# Altium PCB 0020-03_FFT2G.PcbDoc (part 14 of 16)
Units mm, origin at the board's own origin, x right, y up, seen from the top; angles counter-clockwise.
Board outline 195 x 104.5 mm, 12 copper layers (Top Layer, GND1, LVDS1, PWR1, LVDS2, PWR2, LVDS3, PWR3, SIG1, SIG2, GND2, Bottom Layer), stack 1.422 mm thick; 721 components, 650 nets, 4014 pads, 3497 vias.
Unrouted connection lines stored in the file: 78.
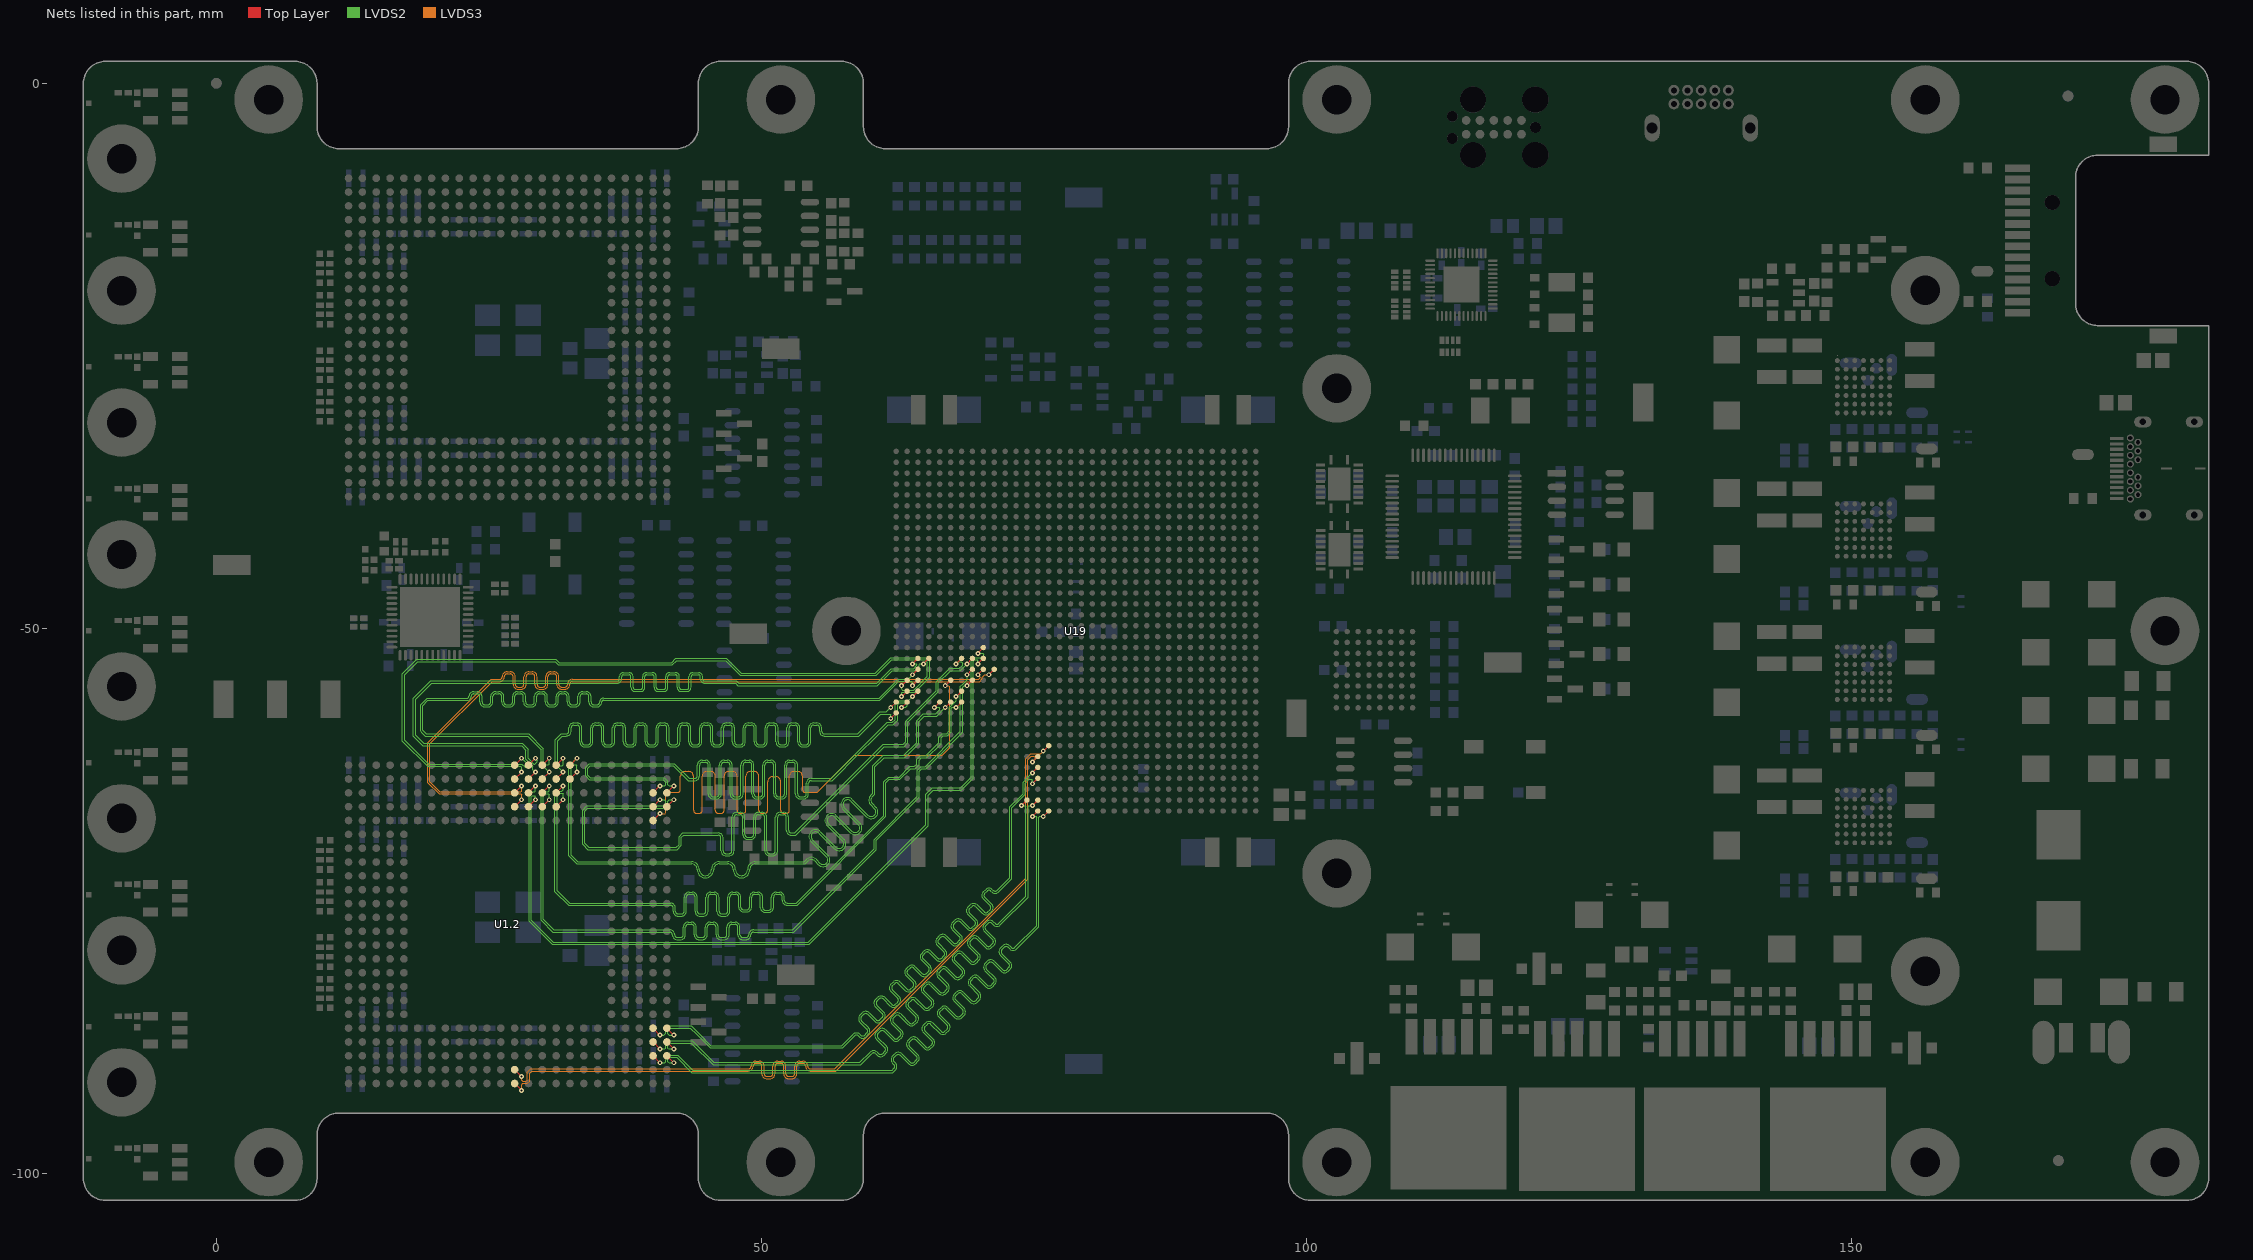
[diagram p24: the nets of this part, all layers, seen from the top]

## Via types
v1: diameter 0.45, hole 0.2, Top Layer to Bottom Layer, tented both sides, 3249 vias
v2: diameter 1, hole 0.5, Top Layer to Bottom Layer, tented both sides, 192 vias
v3: diameter 0.5, hole 0.2, Top Layer to Bottom Layer, tented both sides, 34 vias
v4: diameter 0.6, hole 0.3, Top Layer to Bottom Layer, tented both sides, 12 vias
v5: diameter 0.6, hole 0.2, Top Layer to Bottom Layer, tented both sides, 6 vias
v6: diameter 0.45/0.45/0.45/0.45/0.45/0.45/0.45 (per signal layer), hole 0.2, Top Layer to Bottom Layer, tented both sides, 4 vias

## Nets (pads, with @x,y where several pads share a name; then routed paths per layer and width w, separated by ;. In a path a pad name is that pad's centre, name@x,y a point inside that pad or via, vN(x,y) a via of type N, cw(c..) or ccw(c..) an arc to the next point about the centre after c; other vN are vias at no path point) (continued)
SB.8_N: U1.2.AC3 U19.A21 | length 75.3
  Top Layer w0.1: U1.2.AC3@40.068,-89.243 v1(40.703,-89.878) ; v1(74.875,-67.28) U19.A21@75.375,-66.78
  LVDS2 w0.1: v1(40.703,-89.878) 41.135,-89.878 41.238,-89.774 41.238,-89.458 41.513,-89.184 42.325,-89.184 43.724,-90.583 61.993,-90.583 62.176,-90.4 ccw(c61.999,-90.223) 62.249,-90.223 ccw(c61.999,-90.223) 62.176,-90.047 62.035,-89.905 cw(c62.353,-89.587) 62.035,-89.269 62.247,-89.057 cw(c62.565,-89.375) 62.883,-89.057 63.661,-89.835 ccw(c63.838,-89.658) 64.015,-89.835 64.227,-89.622 ccw(c64.05,-89.446) 64.3,-89.446 ccw(c64.05,-89.446) 64.227,-89.269 63.449,-88.491 cw(c63.767,-88.173) 63.449,-87.855 63.661,-87.642 cw(c63.979,-87.961) 64.297,-87.642 65.075,-88.42 ccw(c65.252,-88.244) 65.429,-88.42 65.641,-88.208 ccw(c65.464,-88.031) 65.714,-88.031 ccw(c65.464,-88.031) 65.641,-87.855 64.863,-87.077 cw(c65.181,-86.759) 64.863,-86.44 65.075,-86.228 cw(c65.393,-86.546) 65.712,-86.228 66.489,-87.006 ccw(c66.666,-86.829) 66.843,-87.006 67.055,-86.794 ccw(c66.878,-86.617) 67.128,-86.617 ccw(c66.878,-86.617) 67.055,-86.44 66.277,-85.663 cw(c66.595,-85.344) 66.277,-85.026 66.489,-84.814 cw(c66.808,-85.132) 67.126,-84.814 ; 67.126,-84.814 67.904,-85.592 ccw(c68.08,-85.415) 68.257,-85.592 68.469,-85.38 ccw(c68.293,-85.203) 68.543,-85.203 ccw(c68.293,-85.203) 68.469,-85.026 67.691,-84.248 cw(c68.01,-83.93) 67.691,-83.612 67.904,-83.4 cw(c68.222,-83.718) 68.54,-83.4 69.318,-84.178 ccw(c69.495,-84.001) 69.671,-84.178 69.884,-83.966 ccw(c69.707,-83.789) 69.957,-83.789 ccw(c69.707,-83.789) 69.884,-83.612 69.106,-82.834 cw(c69.424,-82.516) 69.106,-82.198 69.318,-81.986 cw(c69.636,-82.304) 69.954,-81.986 70.732,-82.763 ccw(c70.909,-82.587) 71.086,-82.763 71.298,-82.551 ccw(c71.121,-82.375) 71.371,-82.375 ccw(c71.121,-82.375) 71.298,-82.198 70.52,-81.42 cw(c70.838,-81.102) 70.52,-80.784 70.732,-80.571 cw(c71.05,-80.89) 71.368,-80.571 72.146,-81.349 ccw(c72.323,-81.172) 72.5,-81.349 72.712,-81.137 ccw(c72.535,-80.96) 72.785,-80.96 ccw(c72.535,-80.96) 72.712,-80.784 71.934,-80.006 cw(c72.252,-79.688) 71.934,-79.369 72.146,-79.157 cw(c72.464,-79.475) 72.783,-79.157 72.924,-79.299 ccw(c73.101,-79.122) 73.278,-79.299 75.275,-77.301 75.275,-67.338 75.217,-67.28 v1(74.875,-67.28)
SB.8_P: U1.2.AD3 U19.A20 | length 75.3
  Top Layer w0.1: U1.2.AD3@41.338,-89.243 v1(41.973,-89.878) ; v1(75.875,-67.28) U19.A20@76.375,-66.78
  LVDS2 w0.1: v1(41.973,-89.878) 41.541,-89.878 41.438,-89.774 41.438,-89.541 41.596,-89.384 42.242,-89.384 43.641,-90.783 62.076,-90.783 62.318,-90.542 ccw(c61.999,-90.223) 62.449,-90.223 ccw(c61.999,-90.223) 62.317,-89.905 62.176,-89.764 cw(c62.353,-89.587) 62.176,-89.41 62.388,-89.198 cw(c62.565,-89.375) 62.742,-89.198 63.52,-89.976 ccw(c63.838,-89.658) 64.156,-89.976 64.368,-89.764 ccw(c64.05,-89.446) 64.5,-89.446 ccw(c64.05,-89.446) 64.368,-89.127 63.59,-88.35 cw(c63.767,-88.173) 63.59,-87.996 63.802,-87.784 cw(c63.979,-87.961) 64.156,-87.784 64.934,-88.562 ccw(c65.252,-88.244) 65.57,-88.562 65.782,-88.35 ccw(c65.464,-88.031) 65.914,-88.031 ccw(c65.464,-88.031) 65.782,-87.713 65.004,-86.935 cw(c65.181,-86.759) 65.004,-86.582 65.217,-86.37 cw(c65.393,-86.546) 65.57,-86.37 66.348,-87.148 ccw(c66.666,-86.829) 66.984,-87.148 67.197,-86.935 ccw(c66.878,-86.617) 67.328,-86.617 ccw(c66.878,-86.617) 67.197,-86.299 66.419,-85.521 cw(c66.595,-85.344) 66.419,-85.168 66.631,-84.955 cw(c66.808,-85.132) 66.984,-84.955 67.762,-85.733 ccw(c68.08,-85.415) 68.399,-85.733 68.611,-85.521 ccw(c68.293,-85.203) 68.743,-85.203 ccw(c68.293,-85.203) 68.611,-84.885 67.833,-84.107 cw(c68.01,-83.93) 67.833,-83.753 68.045,-83.541 cw(c68.222,-83.718) 68.399,-83.541 69.176,-84.319 ccw(c69.495,-84.001) 69.813,-84.319 70.025,-84.107 ccw(c69.707,-83.789) 70.157,-83.789 ccw(c69.707,-83.789) 70.025,-83.471 69.247,-82.693 cw(c69.424,-82.516) 69.247,-82.339 69.459,-82.127 cw(c69.636,-82.304) 69.813,-82.127 70.591,-82.905 ccw(c70.909,-82.587) 71.227,-82.905 71.439,-82.693 ccw(c71.121,-82.375) 71.571,-82.375 ccw(c71.121,-82.375) 71.439,-82.056 70.661,-81.279 cw(c70.838,-81.102) 70.661,-80.925 70.873,-80.713 cw(c71.05,-80.89) 71.227,-80.713 72.005,-81.491 ccw(c72.323,-81.172) 72.641,-81.491 72.853,-81.279 ccw(c72.535,-80.96) 72.985,-80.96 ccw(c72.535,-80.96) 72.853,-80.642 72.076,-79.864 cw(c72.252,-79.688) 72.076,-79.511 72.288,-79.299 cw(c72.464,-79.475) 72.641,-79.299 72.783,-79.44 ccw(c73.101,-79.122) 73.419,-79.44 75.475,-77.384 75.475,-67.338 75.534,-67.28 v1(75.875,-67.28)
SB.9_N: U1.2.AC4 U19.B22 | length 75.2
  Top Layer w0.1: U1.2.AC4@40.068,-87.973 v1(40.703,-88.608) ; v1(73.875,-66.28) U19.B22@74.375,-65.78
  LVDS2 w0.1: v1(40.703,-88.608) 41.16,-88.608 41.238,-88.53 41.238,-88.168 41.533,-87.873 43.678,-87.873 45.654,-89.85 59.048,-89.85 59.991,-88.906 cw(c60.309,-89.225) 60.628,-88.906 60.769,-89.048 ; 60.769,-89.048 ccw(c60.946,-88.871) 61.122,-89.048 ; 61.122,-89.048 61.335,-88.836 ccw(c61.158,-88.659) 61.408,-88.659 ccw(c61.158,-88.659) 61.335,-88.482 60.557,-87.704 cw(c60.875,-87.386) 60.557,-87.068 60.769,-86.856 cw(c61.087,-87.174) 61.405,-86.856 62.183,-87.634 ccw(c62.36,-87.457) 62.537,-87.634 62.749,-87.421 ccw(c62.572,-87.245) 62.822,-87.245 ccw(c62.572,-87.245) 62.749,-87.068 61.971,-86.29 cw(c62.289,-85.972) 61.971,-85.654 62.183,-85.442 cw(c62.501,-85.76) 62.82,-85.442 63.597,-86.219 ccw(c63.774,-86.043) 63.951,-86.219 64.163,-86.007 ccw(c63.986,-85.83) 64.236,-85.83 ccw(c63.986,-85.83) 64.163,-85.654 63.385,-84.876 cw(c63.703,-84.558) 63.385,-84.239 63.597,-84.027 cw(c63.916,-84.346) 64.234,-84.027 65.012,-84.805 ccw(c65.188,-84.628) 65.365,-84.805 65.577,-84.593 ccw(c65.4,-84.416) 65.65,-84.416 ccw(c65.4,-84.416) 65.577,-84.24 64.799,-83.462 cw(c65.118,-83.143) 64.799,-82.825 65.012,-82.613 cw(c65.33,-82.931) 65.648,-82.613 66.426,-83.391 ccw(c66.603,-83.214) 66.779,-83.391 66.991,-83.179 ccw(c66.815,-83.002) 67.065,-83.002 ccw(c66.815,-83.002) 66.991,-82.825 66.214,-82.047 cw(c66.532,-81.729) 66.214,-81.411 66.426,-81.199 cw(c66.744,-81.517) 67.062,-81.199 67.84,-81.977 ccw(c68.017,-81.8) 68.194,-81.977 68.406,-81.765 ccw(c68.229,-81.588) 68.479,-81.588 ccw(c68.229,-81.588) 68.406,-81.411 67.628,-80.633 cw(c67.946,-80.315) 67.628,-79.997 67.84,-79.785 cw(c68.158,-80.103) 68.476,-79.785 69.254,-80.563 ccw(c69.431,-80.386) 69.608,-80.563 69.82,-80.35 ccw(c69.643,-80.174) 69.893,-80.174 ccw(c69.643,-80.174) 69.82,-79.997 69.042,-79.219 cw(c69.36,-78.901) 69.042,-78.583 69.254,-78.37 cw(c69.572,-78.689) 69.891,-78.37 70.668,-79.148 ccw(c70.845,-78.972) 71.022,-79.148 71.234,-78.936 ccw(c71.057,-78.759) 71.307,-78.759 ccw(c71.057,-78.759) 71.234,-78.583 70.456,-77.805 cw(c70.774,-77.487) 70.456,-77.168 70.668,-76.956 cw(c70.987,-77.274) 71.305,-76.956 71.446,-77.098 ccw(c71.623,-76.921) 71.8,-77.098 74.275,-74.622 74.275,-66.338 74.217,-66.28 v1(73.875,-66.28)
SB.9_P: U1.2.AD4 U19.B21 | length 75.2
  Top Layer w0.1: U1.2.AD4@41.338,-87.973 v1(41.973,-88.608) ; v1(74.875,-66.28) U19.B21@75.375,-65.78
  LVDS2 w0.1: v1(41.973,-88.608) 41.516,-88.608 41.438,-88.53 41.438,-88.25 41.615,-88.073 43.595,-88.073 45.572,-90.05 59.131,-90.05 60.133,-89.048 cw(c60.309,-89.225) 60.486,-89.048 60.628,-89.189 ccw(c60.946,-88.871) 61.264,-89.189 61.476,-88.977 ccw(c61.158,-88.659) 61.608,-88.659 ccw(c61.158,-88.659) 61.476,-88.341 60.698,-87.563 cw(c60.875,-87.386) 60.698,-87.209 60.91,-86.997 cw(c61.087,-87.174) 61.264,-86.997 62.042,-87.775 ccw(c62.36,-87.457) 62.678,-87.775 62.89,-87.563 ccw(c62.572,-87.245) 63.022,-87.245 ccw(c62.572,-87.245) 62.89,-86.927 62.112,-86.149 cw(c62.289,-85.972) 62.112,-85.795 62.325,-85.583 cw(c62.501,-85.76) 62.678,-85.583 63.456,-86.361 ccw(c63.774,-86.043) 64.092,-86.361 64.304,-86.149 ccw(c63.986,-85.83) 64.436,-85.83 ccw(c63.986,-85.83) 64.304,-85.512 63.527,-84.734 cw(c63.703,-84.558) 63.527,-84.381 63.739,-84.169 cw(c63.916,-84.346) 64.092,-84.169 64.87,-84.947 ccw(c65.188,-84.628) 65.507,-84.947 65.719,-84.734 ccw(c65.4,-84.416) 65.85,-84.416 ccw(c65.4,-84.416) 65.719,-84.098 64.941,-83.32 cw(c65.118,-83.143) 64.941,-82.967 65.153,-82.755 cw(c65.33,-82.931) 65.507,-82.755 66.284,-83.532 ccw(c66.603,-83.214) 66.921,-83.532 67.133,-83.32 ccw(c66.815,-83.002) 67.265,-83.002 ccw(c66.815,-83.002) 67.133,-82.684 66.355,-81.906 cw(c66.532,-81.729) 66.355,-81.552 66.567,-81.34 cw(c66.744,-81.517) 66.921,-81.34 67.699,-82.118 ccw(c68.017,-81.8) 68.335,-82.118 68.547,-81.906 ccw(c68.229,-81.588) 68.679,-81.588 ccw(c68.229,-81.588) 68.547,-81.27 67.769,-80.492 cw(c67.946,-80.315) 67.769,-80.138 67.981,-79.926 cw(c68.158,-80.103) 68.335,-79.926 69.113,-80.704 ccw(c69.431,-80.386) 69.749,-80.704 69.961,-80.492 ccw(c69.643,-80.174) 70.093,-80.174 ccw(c69.643,-80.174) 69.961,-79.855 69.183,-79.078 cw(c69.36,-78.901) 69.183,-78.724 69.396,-78.512 cw(c69.572,-78.689) 69.749,-78.512 70.527,-79.29 ccw(c70.845,-78.972) 71.163,-79.29 71.376,-79.078 ccw(c71.057,-78.759) 71.507,-78.759 ccw(c71.057,-78.759) 71.376,-78.441 70.598,-77.663 cw(c70.774,-77.487) 70.598,-77.31 70.81,-77.098 cw(c70.987,-77.274) 71.163,-77.098 71.305,-77.239 ccw(c71.623,-76.921) 71.941,-77.239 74.475,-74.705 74.475,-66.338 74.534,-66.28 v1(74.875,-66.28)
SB.DR_N: U1.2.N2 U19.G20 | length 74.4
  Top Layer w0.1: U1.2.N2@27.368,-90.513 v1(28.003,-91.148) ; v1(75.875,-61.28) U19.G20@76.375,-60.78
  LVDS3 w0.1: v1(28.003,-91.148) 28.003,-91.495 28.089,-91.581 28.44,-91.581 28.541,-91.479 28.541,-90.764 28.868,-90.438 48.808,-90.438 ccw(c48.808,-90.188) 49.058,-90.188 cw(c49.508,-90.188) 49.508,-89.738 49.808,-89.738 cw(c49.808,-90.188) 50.258,-90.188 50.258,-90.888 ccw(c50.508,-90.888) 50.508,-91.138 50.808,-91.138 ccw(c50.808,-90.888) 51.058,-90.888 51.058,-90.188 cw(c51.508,-90.188) 51.508,-89.738 51.808,-89.738 cw(c51.808,-90.188) 52.258,-90.188 52.258,-90.888 ccw(c52.508,-90.888) 52.508,-91.138 52.808,-91.138 ccw(c52.808,-90.888) 53.058,-90.888 53.058,-90.188 cw(c53.508,-90.188) 53.508,-89.738 53.808,-89.738 cw(c53.808,-90.188) 54.258,-90.188 ccw(c54.508,-90.188) 54.508,-90.438 56.754,-90.438 74.25,-72.942 74.25,-70.361 74.25,-61.989 74.71,-61.53 75.625,-61.53 v1(75.875,-61.28)
SB.DR_P: U1.2.N1 U19.F21 | length 74.3
  Top Layer w0.1: U1.2.N1@27.368,-91.783 v1(28.003,-92.418) ; v1(74.875,-62.28) U19.F21@75.375,-61.78
  LVDS3 w0.1: v1(28.003,-92.418) 28.003,-91.887 28.11,-91.781 28.523,-91.781 28.741,-91.562 28.741,-90.847 28.95,-90.638 48.808,-90.638 ccw(c48.808,-90.188) 49.258,-90.188 cw(c49.508,-90.188) 49.508,-89.938 49.808,-89.938 cw(c49.808,-90.188) 50.058,-90.188 50.058,-90.888 ccw(c50.508,-90.888) 50.508,-91.338 50.808,-91.338 ccw(c50.808,-90.888) 51.258,-90.888 51.258,-90.188 cw(c51.508,-90.188) 51.508,-89.938 51.808,-89.938 cw(c51.808,-90.188) 52.058,-90.188 52.058,-90.888 ccw(c52.508,-90.888) 52.508,-91.338 52.808,-91.338 ccw(c52.808,-90.888) 53.258,-90.888 53.258,-90.188 cw(c53.508,-90.188) 53.508,-89.938 53.808,-89.938 cw(c53.808,-90.188) 54.058,-90.188 ccw(c54.508,-90.188) 54.508,-90.638 56.837,-90.638 74.45,-73.025 74.45,-70.361 74.45,-62.072 74.789,-61.733 74.998,-61.733 75.115,-61.85 75.115,-62.04 v1(74.875,-62.28)
SB.OR_N: U1.2.AC5 U19.E21 | length 74.9
  Top Layer w0.1: U1.2.AC5@40.068,-86.703 v1(40.703,-87.338) ; v1(74.875,-63.28) U19.E21@75.375,-62.78
  LVDS2 w0.1: v1(40.703,-87.338) 41.062,-87.338 41.238,-87.161 41.238,-86.821 41.559,-86.501 43.579,-86.501 44.161,-87.083 45.379,-88.301 57.395,-88.301 58.415,-87.281 cw(c58.733,-87.599) 59.052,-87.281 59.122,-87.352 ccw(c59.299,-87.175) 59.476,-87.352 59.688,-87.139 ccw(c59.511,-86.963) 59.761,-86.963 ccw(c59.511,-86.963) 59.688,-86.786 59.052,-86.149 cw(c59.37,-85.831) 59.052,-85.513 59.264,-85.301 cw(c59.582,-85.619) 59.9,-85.301 60.537,-85.937 ccw(c60.713,-85.761) 60.89,-85.937 61.102,-85.725 ccw(c60.925,-85.548) 61.175,-85.548 ccw(c60.925,-85.548) 61.102,-85.372 60.466,-84.735 cw(c60.784,-84.417) 60.466,-84.099 60.678,-83.887 cw(c60.996,-84.205) 61.314,-83.887 61.951,-84.523 ccw(c62.128,-84.346) 62.304,-84.523 62.516,-84.311 ccw(c62.34,-84.134) 62.59,-84.134 ccw(c62.34,-84.134) 62.516,-83.957 61.88,-83.321 cw(c62.198,-83.003) 61.88,-82.685 62.092,-82.472 cw(c62.41,-82.791) 62.729,-82.472 63.365,-83.109 ccw(c63.542,-82.932) 63.719,-83.109 63.931,-82.897 ccw(c63.754,-82.72) 64.004,-82.72 ccw(c63.754,-82.72) 63.931,-82.543 63.294,-81.907 cw(c63.612,-81.589) 63.294,-81.27 63.506,-81.058 cw(c63.825,-81.376) 64.143,-81.058 64.779,-81.695 ccw(c64.956,-81.518) 65.133,-81.695 65.345,-81.483 ccw(c65.168,-81.306) 65.418,-81.306 ccw(c65.168,-81.306) 65.345,-81.129 64.708,-80.493 cw(c65.027,-80.174) 64.708,-79.856 64.921,-79.644 cw(c65.239,-79.962) 65.557,-79.644 66.193,-80.28 ccw(c66.37,-80.104) 66.547,-80.28 66.759,-80.068 ccw(c66.582,-79.892) 66.832,-79.892 ccw(c66.582,-79.892) 66.759,-79.715 66.123,-79.078 cw(c66.441,-78.76) 66.123,-78.442 66.335,-78.23 cw(c66.653,-78.548) 66.971,-78.23 67.608,-78.866 ccw(c67.784,-78.689) 67.961,-78.866 68.173,-78.654 ccw(c67.997,-78.477) 68.247,-78.477 ccw(c67.997,-78.477) 68.173,-78.301 67.537,-77.664 cw(c67.855,-77.346) 67.537,-77.028 67.749,-76.816 cw(c68.067,-77.134) 68.385,-76.816 69.022,-77.452 ccw(c69.199,-77.275) 69.375,-77.452 69.588,-77.24 ccw(c69.411,-77.063) 69.661,-77.063 ccw(c69.411,-77.063) 69.588,-76.886 68.951,-76.25 cw(c69.269,-75.932) 68.951,-75.614 69.163,-75.401 cw(c69.481,-75.72) 69.8,-75.401 70.436,-76.038 ccw(c70.613,-75.861) 70.79,-76.038 71.002,-75.826 ccw(c70.825,-75.649) 71.075,-75.649 ccw(c70.825,-75.649) 71.002,-75.472 70.365,-74.836 cw(c70.684,-74.517) 70.365,-74.199 70.577,-73.987 cw(c70.896,-74.305) 71.214,-73.987 71.285,-74.058 ccw(c71.461,-73.881) 71.638,-74.058 72.804,-72.892 72.804,-66.399 74.023,-65.18 74.023,-64.132 74.417,-63.738 v1(74.875,-63.28)
SB.OR_P: U1.2.AD5 U19.D21 | length 74.9
  Top Layer w0.1: U1.2.AD5@41.338,-86.703 v1(41.973,-87.338) ; v1(74.875,-64.28) U19.D21@75.375,-63.78
  LVDS2 w0.1: v1(41.973,-87.338) 41.541,-87.338 41.438,-87.234 41.438,-86.904 41.641,-86.701 43.496,-86.701 44.02,-87.225 45.297,-88.501 57.478,-88.501 58.557,-87.422 cw(c58.733,-87.599) 58.91,-87.422 58.981,-87.493 ccw(c59.299,-87.175) 59.617,-87.493 59.829,-87.281 ccw(c59.511,-86.963) 59.961,-86.963 ccw(c59.511,-86.963) 59.829,-86.644 59.193,-86.008 cw(c59.37,-85.831) 59.193,-85.654 59.405,-85.442 cw(c59.582,-85.619) 59.759,-85.442 60.395,-86.079 ccw(c60.713,-85.761) 61.032,-86.079 61.244,-85.867 ccw(c60.925,-85.548) 61.375,-85.548 ccw(c60.925,-85.548) 61.244,-85.23 60.607,-84.594 cw(c60.784,-84.417) 60.607,-84.24 60.819,-84.028 cw(c60.996,-84.205) 61.173,-84.028 61.809,-84.665 ccw(c62.128,-84.346) 62.446,-84.665 62.658,-84.452 ccw(c62.34,-84.134) 62.79,-84.134 ccw(c62.34,-84.134) 62.658,-83.816 62.021,-83.18 cw(c62.198,-83.003) 62.021,-82.826 62.234,-82.614 cw(c62.41,-82.791) 62.587,-82.614 63.224,-83.25 ccw(c63.542,-82.932) 63.86,-83.25 64.072,-83.038 ccw(c63.754,-82.72) 64.204,-82.72 ccw(c63.754,-82.72) 64.072,-82.402 63.436,-81.765 cw(c63.612,-81.589) 63.436,-81.412 63.648,-81.2 cw(c63.825,-81.376) 64.001,-81.2 64.638,-81.836 ccw(c64.956,-81.518) 65.274,-81.836 65.486,-81.624 ccw(c65.168,-81.306) 65.618,-81.306 ccw(c65.168,-81.306) 65.486,-80.988 64.85,-80.351 cw(c65.027,-80.174) 64.85,-79.998 65.062,-79.785 cw(c65.239,-79.962) 65.416,-79.785 66.052,-80.422 ccw(c66.37,-80.104) 66.688,-80.422 66.901,-80.21 ccw(c66.582,-79.892) 67.032,-79.892 ccw(c66.582,-79.892) 66.901,-79.573 66.264,-78.937 cw(c66.441,-78.76) 66.264,-78.583 66.476,-78.371 cw(c66.653,-78.548) 66.83,-78.371 67.466,-79.008 ccw(c67.784,-78.689) 68.103,-79.008 68.315,-78.796 ccw(c67.997,-78.477) 68.447,-78.477 ccw(c67.997,-78.477) 68.315,-78.159 67.678,-77.523 cw(c67.855,-77.346) 67.678,-77.169 67.89,-76.957 cw(c68.067,-77.134) 68.244,-76.957 68.88,-77.593 ccw(c69.199,-77.275) 69.517,-77.593 69.729,-77.381 ccw(c69.411,-77.063) 69.861,-77.063 ccw(c69.411,-77.063) 69.729,-76.745 69.093,-76.108 cw(c69.269,-75.932) 69.093,-75.755 69.305,-75.543 cw(c69.481,-75.72) 69.658,-75.543 70.295,-76.179 ccw(c70.613,-75.861) 70.931,-76.179 71.143,-75.967 ccw(c70.825,-75.649) 71.275,-75.649 ccw(c70.825,-75.649) 71.143,-75.331 70.507,-74.694 cw(c70.684,-74.517) 70.507,-74.341 70.719,-74.129 cw(c70.896,-74.305) 71.072,-74.129 71.143,-74.199 ccw(c71.461,-73.881) 71.78,-74.199 73.004,-72.975 73.004,-66.482 74.223,-65.262 74.223,-64.215 74.558,-63.88 74.817,-63.88 74.875,-63.938 v1(74.875,-64.28)
SC.0_N: U1.2.N21 U19.P26 | length 74.6
  Top Layer w0.1: U1.2.N21@27.368,-66.383 v1(28.003,-65.748) ; v1(69.875,-54.28) U19.P26@70.375,-53.78
  LVDS3 w0.1: v1(28.003,-65.748) 28.003,-65.271 27.945,-65.213 20.435,-65.213 19.401,-64.178 19.401,-60.536 25.232,-54.705 25.974,-54.705 ccw(c25.974,-54.455) 26.224,-54.455 cw(c26.674,-54.455) 26.674,-54.005 26.974,-54.005 cw(c26.974,-54.455) 27.424,-54.455 27.424,-55.155 ccw(c27.674,-55.155) 27.674,-55.405 27.974,-55.405 ccw(c27.974,-55.155) 28.224,-55.155 28.224,-54.455 cw(c28.674,-54.455) 28.674,-54.005 28.974,-54.005 cw(c28.974,-54.455) 29.424,-54.455 29.424,-55.155 ccw(c29.674,-55.155) 29.674,-55.405 29.974,-55.405 ccw(c29.974,-55.155) 30.224,-55.155 30.224,-54.455 cw(c30.674,-54.455) 30.674,-54.005 30.974,-54.005 cw(c30.974,-54.455) 31.424,-54.455 31.424,-55.155 ccw(c31.674,-55.155) 31.674,-55.405 31.974,-55.405 ccw(c31.974,-55.155) 32.224,-55.155 cw(c32.674,-55.155) 32.674,-54.705 69.945,-54.705 70.078,-54.572 70.078,-54.489 69.875,-54.286 v1(69.875,-54.28)
SC.0_P: U1.2.N22 U19.P25 | length 74.7
  Top Layer w0.1: U1.2.N22@27.368,-65.113 v1(28.003,-64.478) ; v1(70.875,-54.28) U19.P25@71.375,-53.78
  LVDS3 w0.1: v1(28.003,-64.478) 28.003,-64.954 27.945,-65.013 20.518,-65.013 19.601,-64.095 19.601,-60.619 25.315,-54.905 25.974,-54.905 ccw(c25.974,-54.455) 26.424,-54.455 cw(c26.674,-54.455) 26.674,-54.205 26.974,-54.205 cw(c26.974,-54.455) 27.224,-54.455 27.224,-55.155 ccw(c27.674,-55.155) 27.674,-55.605 27.974,-55.605 ccw(c27.974,-55.155) 28.424,-55.155 28.424,-54.455 cw(c28.674,-54.455) 28.674,-54.205 28.974,-54.205 cw(c28.974,-54.455) 29.224,-54.455 29.224,-55.155 ccw(c29.674,-55.155) 29.674,-55.605 29.974,-55.605 ccw(c29.974,-55.155) 30.424,-55.155 30.424,-54.455 cw(c30.674,-54.455) 30.674,-54.205 30.974,-54.205 cw(c30.974,-54.455) 31.224,-54.455 31.224,-55.155 ccw(c31.674,-55.155) 31.674,-55.605 31.974,-55.605 ccw(c31.974,-55.155) 32.424,-55.155 cw(c32.674,-55.155) 32.674,-54.905 70.028,-54.905 70.278,-54.655 70.278,-54.489 70.487,-54.28 v1(70.875,-54.28)
SC.1_N: U1.2.P23 U19.R32 | length 75.3
  Top Layer w0.1: U1.2.P23@28.638,-63.843 v1(29.273,-63.208) ; v1(63.875,-53.28) U19.R32@64.375,-52.78
  LVDS2 w0.1: v1(29.273,-63.208) 29.049,-62.983 29.049,-62.673 28.409,-62.033 28.409,-61.192 27.999,-60.782 18.932,-60.782 18.075,-59.925 18.075,-56.45 19.675,-54.849 36.815,-54.849 ccw(c36.815,-54.684) 36.981,-54.684 36.981,-54.453 cw(c37.346,-54.453) 37.346,-54.087 37.877,-54.087 cw(c37.877,-54.453) 38.243,-54.453 38.243,-55.446 ccw(c38.408,-55.446) 38.408,-55.611 38.939,-55.611 ccw(c38.939,-55.446) 39.105,-55.446 39.105,-54.453 cw(c39.47,-54.453) 39.47,-54.087 40.001,-54.087 cw(c40.001,-54.453) 40.367,-54.453 40.367,-55.446 ccw(c40.532,-55.446) 40.532,-55.611 41.063,-55.611 ccw(c41.063,-55.446) 41.229,-55.446 41.229,-54.453 cw(c41.594,-54.453) 41.594,-54.087 42.125,-54.087 cw(c42.125,-54.453) 42.491,-54.453 42.491,-55.446 ccw(c42.656,-55.446) 42.656,-55.611 43.187,-55.611 ccw(c43.187,-55.446) 43.353,-55.446 43.353,-54.453 cw(c43.718,-54.453) 43.718,-54.087 44.249,-54.087 cw(c44.249,-54.453) 44.615,-54.453 44.615,-54.684 ccw(c44.78,-54.684) 44.78,-54.849 47.724,-54.849 47.943,-55.069 60.573,-55.069 61.937,-53.705 63.992,-53.705 64.275,-53.421 64.275,-53.338 64.217,-53.28 v1(63.875,-53.28)
SC.1_P: U1.2.P24 U19.R31 | length 75.3
  Top Layer w0.1: U1.2.P24@28.638,-62.573 v1(29.273,-61.938) ; v1(64.875,-53.28) U19.R31@65.375,-52.78
  LVDS2 w0.1: v1@29.375,-62.039 v1(29.273,-61.938) 29.273,-62.032 29.425,-62.184 29.425,-62.262 29.215,-62.473 29.132,-62.473 28.609,-61.95 28.609,-61.109 28.082,-60.582 19.015,-60.582 18.275,-59.842 18.275,-56.533 19.758,-55.049 36.815,-55.049 ccw(c36.815,-54.684) 37.181,-54.684 37.181,-54.453 cw(c37.346,-54.453) 37.346,-54.287 37.877,-54.287 cw(c37.877,-54.453) 38.043,-54.453 38.043,-55.446 ccw(c38.408,-55.446) 38.408,-55.811 38.939,-55.811 ccw(c38.939,-55.446) 39.305,-55.446 39.305,-54.453 cw(c39.47,-54.453) 39.47,-54.287 40.001,-54.287 cw(c40.001,-54.453) 40.167,-54.453 40.167,-55.446 ccw(c40.532,-55.446) 40.532,-55.811 41.063,-55.811 ccw(c41.063,-55.446) 41.429,-55.446 41.429,-54.453 cw(c41.594,-54.453) 41.594,-54.287 42.125,-54.287 cw(c42.125,-54.453) 42.291,-54.453 42.291,-55.446 ccw(c42.656,-55.446) 42.656,-55.811 43.187,-55.811 ccw(c43.187,-55.446) 43.553,-55.446 43.553,-54.453 cw(c43.718,-54.453) 43.718,-54.287 44.249,-54.287 cw(c44.249,-54.453) 44.415,-54.453 44.415,-54.684 ccw(c44.78,-54.684) 44.78,-55.049 47.642,-55.049 47.861,-55.269 60.656,-55.269 62.02,-53.905 64.075,-53.905 64.475,-53.504 64.475,-53.338 64.534,-53.28 v1(64.875,-53.28)